# Altium PCB 智能车主板.PcbDoc (part 2 of 3)
Units mil, origin at the board's own origin, x right, y up, seen from the top; angles counter-clockwise.
Board outline 5500 x 3935 mil, 4 copper layers (Top, GND02, PWR03, Bottom), stack 23.756 mil thick; 203 components, 185 nets, 860 pads, 262 vias.
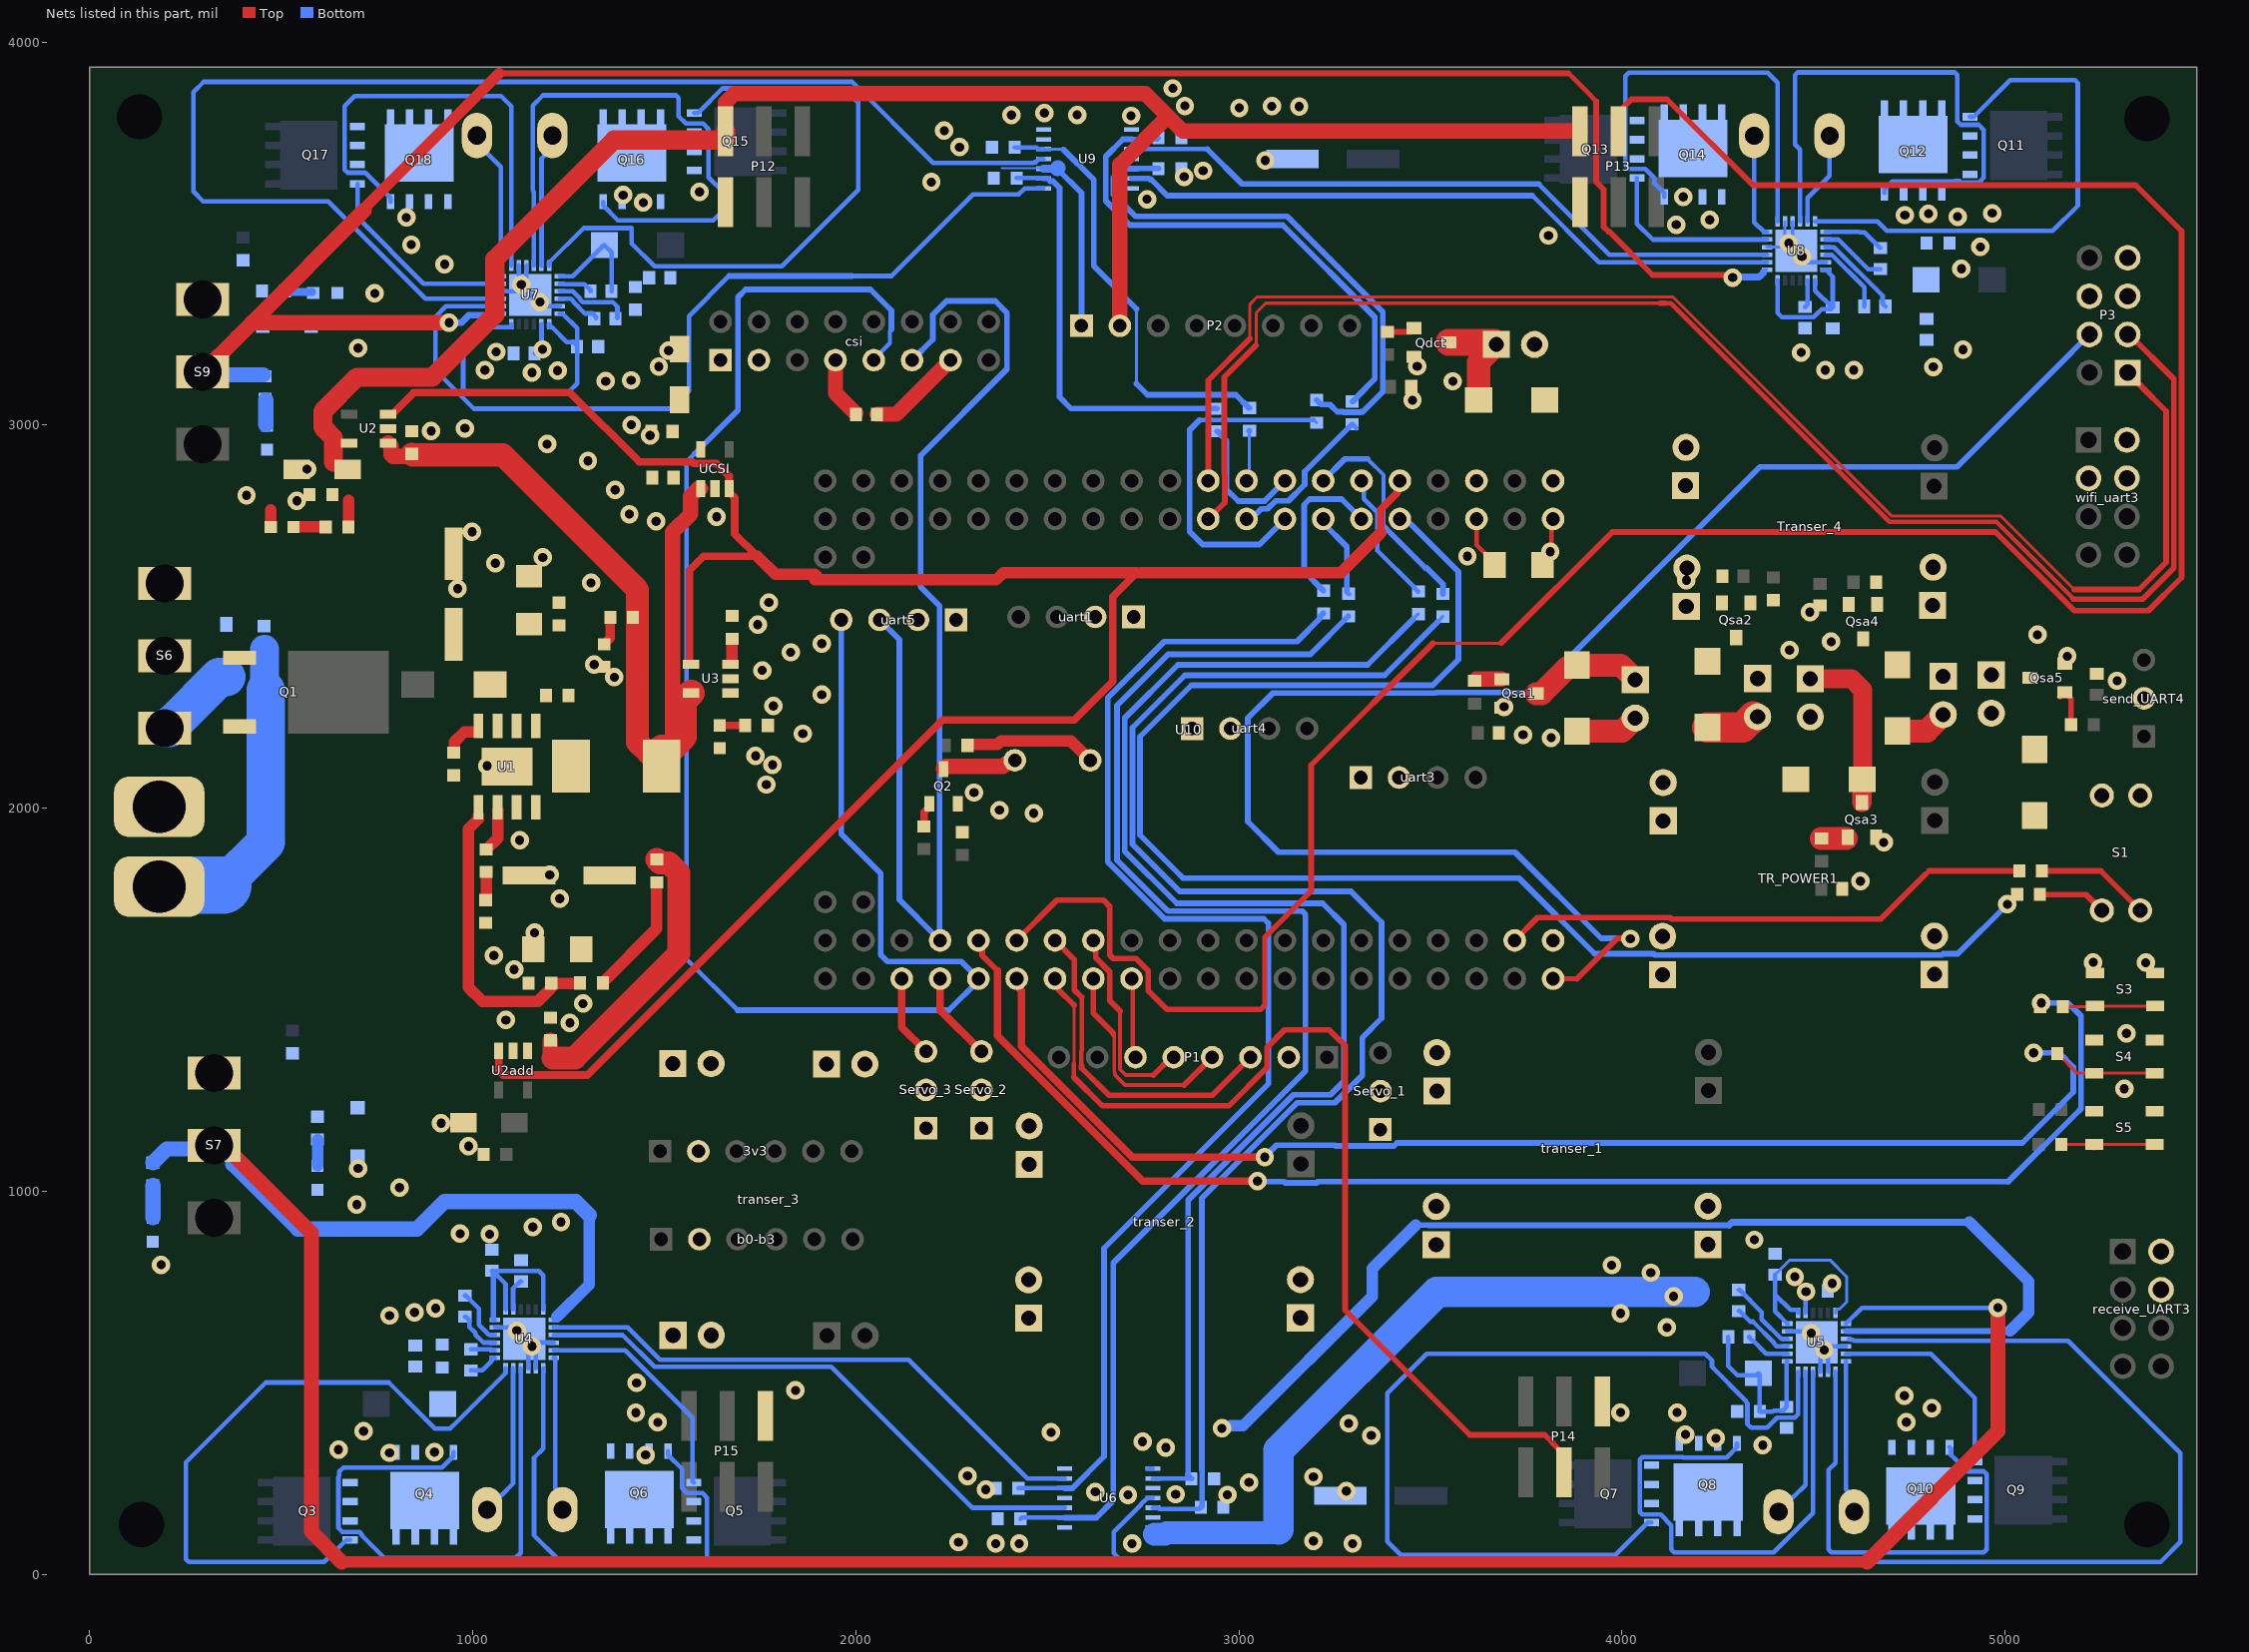
[diagram p4: the nets of this part, all layers, seen from the top]

## Via types
v1: diameter 48, hole 24, Top to Bottom, tented both sides, 262 vias

## Nets (pads, with @x,y where several pads share a name; then routed paths per layer and width w, separated by ;. In a path a pad name is that pad's centre, name@x,y a point inside that pad or via, vN(x,y) a via of type N, cw(c..) or ccw(c..) an arc to the next point about the centre after c; other vN are vias at no path point) (continued)
C20: P1.6 U10.62 | length 209.1
  Top w12: P1.6@2722.6,1357.4 U10.62@2722.6,1552.4
  Top w15: U10.62@2720,1555 U10.62@2722.6,1552.4 ; P1.6@2722.6,1357.4 P1.6@2730,1350
C21: P1.5 U10.59 | length 530.7
  Top w10: 2689.5,1471 2689.5,1351.5 ccw(c2730,1350) 2689.5,1348.5 2689.5,1319 2692.43,1316.07 2704.7,1303.8 2776.8,1303.8
  Top w15: U10.59@2620,1655 2626.44,1648.56 2626.44,1609.41 2663.03,1572.82 2663.03,1497.47 2689.5,1471 ; 2776.8,1303.8 2823,1350 P1.5@2830,1350
C22: P1.4 U10.60 | length 568.6
  Top w10: 2672,1410.08 2674.5,1407.58 2674.5,1399.3 2674.47,1350.22 ccw(c2730,1350) 2674.49,1348.56 2674.5,1312.79 2676.05,1309.29 2677.63,1302.37 2702.7,1277.3 2857.3,1277.3
  Top w15: U10.60@2620,1555 2620,1464.78 2672,1412.78 2672,1410.08 ; 2857.3,1277.3 P1.4@2930,1350
C23: P1.3 U10.57 | length 873.7
  Top w12: 2589.53,1326.97 2589.53,1331.74 2588.47,1332.8 2588.47,1367.2 2589.53,1368.26 2589.53,1506.69
  Top w15: U10.57@2520,1655 2570.4,1604.6 2570.4,1525.81 2589.53,1506.69 ; 2589.53,1326.97 2589.53,1321.97 2660.7,1250.8 2930.8,1250.8 P1.3@3030,1350
C24: P14.4 U10.58 | length 2611.6
  Top w8: 2569.53,1333.63 2569.53,1485.97 ; P14.4@3848.9,266.86 P14.4@3848.9,311.74
  Top w12: 2569.3,1297.7 2569.3,1333.4
  Top w15: U10.58@2520,1555 2528.43,1546.57 2528.43,1527.07 2569.53,1485.97 ; 2569.3,1297.7 2643.9,1223.1 2973.3,1223.1 3073.03,1322.83 3073.03,1375.54 3118.89,1421.4 3235.7,1421.4 3264.07,1393.03 3265.12,1393.03 3277.2,1380.95 3277.2,690 3602.7,364.5 3798.22,364.5 3818.9,343.82 3818.9,341.74 P14.4@3848.9,311.74
C25: P13.4 U10.55 | length 6820.7
  Top w8: 3507.2,2430.9 3684.6,2430.9
  Top w14: 2812.3,1474.6 3056.3,1474.6 3067.3,1485.6 3067.3,1663.2 3181.8,1777.7
  Top w15: U10.55@2420,1655 2525,1760 2646.41,1760 2663.03,1743.39 2663.03,1616.65 2671.81,1607.86 2731.34,1607.86 2763.5,1575.7 2763.5,1523.4 2812.3,1474.6 ; 3181.8,1777.7 3188.6,1784.5 3188.6,2112.3 3507.2,2430.9 ; 3684.6,2430.9 3974.97,2721.27 4975.13,2721.27 5180.5,2515.9 5374.1,2515.9 5460.5,2602.3 5460.5,3506.6 5340.7,3626.4 4342.02,3626.4 4117.82,3850.6 4024.2,3850.6 4002.58,3828.98 4002.58,3780.1 P13.4@3990,3767.52
C26: R26.2 U10.56 | length 3303.1
  Top w20: U10.56@2420,1555 2427.47,1547.53 2427.47,1528.68 2432.4,1523.76 2432.4,1378.4 2721.4,1089.4 v1(3067.4,1089.4)
  Bottom w15: v1(3067.4,1089.4) 3098.23,1120.23 3250.35,1120.23 3252.31,1118.27 3404.42,1118.27 3412.45,1126.3 5044.9,1126.3 5178,1259.4 5178,1324.5 5141.1,1361.4 v1(5074.4,1361.4)
C27: R25.2 U10.53 | length 3703.5
  Top w8: 2369.5,1409.63 2369.5,1411
  Top w15: U10.53@2320,1655 2329.77,1645.23 2329.77,1615.42 2369.5,1575.68
  Top w20: 2369.5,1409.63 2369.5,1405.94 2748.54,1026.9 v1(3048.43,1026.9) ; 2369.5,1411 2369.5,1575.68
  Bottom w8: 5005.03,1025.87 5006.94,1023.96 ; 5190.85,1214.25 5194.04,1211.06
  Bottom w15: v1(3048.43,1026.9) 3049.73,1025.6 3117.54,1025.6 3120.78,1022.37 3202.82,1022.37 3206.06,1025.6 5005.3,1025.6 ; 5006.94,1023.96 5194.04,1211.06 5198,1215.02 5198,1457.7 5163.7,1492 v1(5094.4,1492)
C28: csi.9 U10.54 uart5.4 | length 4415.3
  Bottom w8: 2087.4,3212.3 2089.4,3214.3 ; U10.54@2320,1550 U10.54@2320,1555
  Bottom w10: 2089.4,3214.3 2089.4,3246.3
  Bottom w12: 1579.3,2925.6 1558.2,2904.5 1558.2,1605.9 1691.05,1473.05 ; csi.9@2046.9,3169.8 2046.9,3171.8 2087.4,3212.3 ; 2089.4,3246.3 2093,3249.9
  Bottom w15: 1579.3,2925.6 1692.4,3038.7 1692.4,3333.8 1712.6,3354 2038.52,3354 2093,3299.52 2093,3249.9 ; 1691.05,1473.05 2243.05,1473.05 U10.54@2320,1550 ; uart5.4@1962,2491.7 1962,1932.7 2064.8,1829.9 2064.8,1617.7 2082.7,1599.8 2275.2,1599.8 U10.54@2320,1555
C29: csi.11 U10.51 uart5.3 | length 3004.9
  Bottom w15: uart5.3@2062,2491.7 2113.6,2440.1 2113.6,1761.4 U10.51@2211.57,1663.43 ; csi.11@2146.9,3169.8 2201.2,3224.1 2201.2,3288.2 2236.9,3323.9 2364,3323.9 2394.7,3293.2 2394.7,3146.3 2169.1,2920.7 2169.1,2578 2218.59,2528.51 2218.59,1663.43 2220,1662.02 U10.51@2220,1655
C30: Servo_2.3 U10.52 | length 234.8
  Top w20: U10.52@2220,1555 2220,1472.9 Servo_2.3@2328,1364.9
C31: Servo_3.3 U10.50 | length 229.8
  Top w20: U10.50@2110.4,1545.4 U10.50@2120,1555 2120,1427.9 Servo_3.3@2183,1364.9
CR: U2.3 U2add.3 U3.4 U10.9 UCSI.3 | length 5962.8
  Top w8: U2.3@779.28,3028.1 U2.3@789.12,3028.1 ; U2add.3@1060.19,1349.23 1068,1357.04 U2add.3@1068,1366.88 ; U3.4@1565.8,2380.02 U3.4@1570.22,2375.6
  Top w15: U10.9@3413.48,2848.48 U10.9@3420,2855
  Top w20: U2.3@789.12,3028.1 846.27,3085.25 1253.65,3085.25 1435.2,2903.7 1573.12,2903.7 1576.87,2899.95 1636.45,2899.95 1669.7,2866.7 1669.7,2824.4 1671.51,2822.58 1671.98,2822.58 1683.7,2810.87 1683.7,2716.7 1743,2657.4 1602.4,2657.4 1565.8,2620.8 U3.4@1565.8,2380.02 ; U2add.3@1068,1366.88 1067.9,1366.78 1067.9,1349.23 1067.9,1315.11 1079.62,1303.4 1299.3,1303.4 2226.2,2230.3 2570.09,2230.3 2670.53,2330.74 2670.53,2552.23 2733.33,2615.03 2745.1,2615.03 ; 3370.53,2719.33 3370.53,2780.53 3413.48,2823.48 U10.9@3413.48,2848.48
  Top w30: 1743,2657.4 1789.71,2610.69 1804.2,2610.69 1892.86,2610.69 1899.07,2604.47 ; 1892.86,2596.2 2366.4,2596.2 2385.23,2615.03 2733.33,2615.03 ; 2745.1,2615.03 3266.23,2615.03 3370.53,2719.33
CSI_3V3: C22_CSI.2 C27_CSI.1 csi.1 UCSI.5
D4: R22.2 U10.10 | length 4058.8
  Bottom w8: U10.10@3420,2755 3433.82,2755 3447.57,2741.24 3448.97,2741.24
  Bottom w15: 3448.97,2741.24 3572.7,2617.51 3572.7,2387.9 3505.8,2321 2876.1,2321 2741.9,2186.8 2741.9,1929.9 2847.21,1824.59 2854.2,1817.6 3731.1,1817.6 3928.7,1620 4082.27,1620 4085.7,1616.57 4834.9,1616.57 4838.33,1620 4876.4,1620 v1(5005.7,1749.3)
D16: P3.1 U10.19 | length 3787.3
  Top w8: 3028.63,3226.03 3028.63,3315.53 3048,3334.9 4131.84,3334.9 4704.44,2762.3 4989.1,2762.3 5180,2571.4
  Top w15: U10.19@2920,2855 2920,3117.4 3028.63,3226.03 ; 5180,2571.4 5349.9,2571.4 5420.5,2642 5420.5,3036.3 5353.22,3103.58 P3.1@5320,3136.8
D17: P3.3 U10.20 | length 4033.9
  Top w8: 3044.6,3208.4 3045.13,3208.93 3045.13,3293.64 3069.89,3318.4 4099.2,3318.4
  Top w12: 4113.5,3318.4 4127.13,3318.4 4698.23,2747.3 4977.38,2747.3 5178.09,2546.59
  Top w15: U10.20@2920,2755 2963.03,2798.03 2963.03,2872.82 2961.9,2873.95 2961.9,3125.7 3044.6,3208.4 ; 4099.2,3318.4 4113.5,3318.4 ; 5178.09,2546.59 5178.98,2545.7 5359.3,2545.7 5440.5,2626.9 5440.5,3120.5 5324.2,3236.8 P3.3@5320,3236.8 ; P3.3@5317.5,3255.15 P3.3@5338.35,3255.15
D26: P3.4 U10.84 | length 4268.8
  Top w14: U10.84@3820,1555 3882.5,1555
  Top w15: 3882.5,1555 3987.7,1660.2 4020.8,1660.2 v1(4021.9,1659.1) ; P3.4@5204.2,3236.8 P3.4@5220,3236.8
  Bottom w15: v1(4021.9,1659.1) 4020.8,1660.2 3945.89,1660.2 3720.59,1885.5 3103.2,1885.5 3023.3,1965.4 3023.3,2235.6 3088.7,2301 3514.08,2301 3515.48,2302.4 3770.8,2302.4 4359.6,2891.2 4874.4,2891.2 5130.77,3147.57 P3.4@5220,3236.8
D27: R23.2 U10.81 | length 1395.4
  Top w8: 4792.64,1827.76 4801.38,1836.5
  Top w15: U10.81@3720,1655 3779.43,1714.43 4126.24,1714.43 4130.17,1710.5 4675.38,1710.5 4792.64,1827.76 ; 4801.39,1836.5 R23.2@5036.94,1836.5
DCT_VCC_12: Ddct.1 JPdct.2 Transer_4.5
DVDD: C23.2 U5.8 U6.14 | length 1865.5
  Bottom w8: U6.14@2775.32,122.64 U6.14@2788.82,122.64
  Bottom w12: U5.8@4478.69,682.25 4478.69,736.25 v1(4480.57,738.12) C23.2@4482.44,740
  Bottom w60: 2779.1,105.3 2807.39,105.3 2810.69,108.6 3094.1,108.6 3103.2,117.7
  Bottom w80: 3103.2,117.7 3103.2,323.6 3516.7,737.1 4134.8,737.1 4189.5,737.1
  other v1: 4117.4,644.4 3996.4,681.2 4134.8,725.5 4451,777 4075.3,787.6 3973.2,807.1
DVDD1: C28.2 U7.8 U9.14 | length 83.2
  Bottom w12: C28.2@1161.65,3187.4 1171.4,3197.15 1171.4,3205.97 1179.53,3214.09 U7.8@1179.53,3263.23
  other v1: 1154.5,3137 1221.6,3142.3 1182.2,3197.8 2406,3809.4 2577.8,3809.9 2492.2,3814.7
G1: Q3.4 U4.24 | length 1752.1
  Bottom w12: Q3.4@680,90 670.16,90 612.26,32.1 258.73,32.1 251.7,39.13 251.7,292.6 460,500.9 780.96,500.9 869,412.86 901.46,380.4 940.9,380.4 961.04,400.54 961.31,400.54 1085.79,525.02 U4.24@1085.79,538.23
G2: Q5.4 U4.17 | length 605.5
  Bottom w12: U4.17@1211.78,585.47 1397.33,585.47 1574.1,408.7 1574.1,242.75 Q5.4@1576.9,239.95
G3: Q4.4 U4.22 | length 1470.9
  Bottom w12: Q4.4@949.98,319.05 949.98,309.21 919.97,279.2 662.3,279.2 651.6,268.5 651.6,256.68 649.32,254.4 649.32,121.38 659.86,110.84 704.24,110.84 710.69,104.4 710.69,101.32 769.3,42.7 1111.5,42.7 1125.16,56.36 U4.22@1125.16,538.23
G4: Q6.4 U4.19 | length 1268.5
  Bottom w12: U4.19@1184.21,538.23 1184.21,328.26 1160.07,304.12 1160.07,101.93 1223.4,38.6 1604.37,38.6 1611.4,45.63 1611.4,199.9 1607.59,203.71 1607.59,204.35 1599.42,212.52 1559.25,212.52 1546.21,225.55 1546.21,275.68 1509.97,311.92 Q6.4@1509.97,321.77
G5: Q7.4 U5.24 | length 2489.3
  Bottom w12: Q7.4@4076.77,135.03 4066.92,135.03 3982.8,50.9 3422.1,50.9 3386.87,86.13 3386.87,472.97 3489.9,576 4217.14,576 4234.68,558.45 4234.68,541.52 4323.6,452.6 4323.6,450.18 4327.22,446.56 4327.22,392.58 4336.7,383.1 4378.7,383.1 4404.79,409.19 4450.66,409.19 4459.01,417.55 U5.24@4459.01,528.71
G6: Q9.4 U5.17 | length 549.4
  Bottom w12: U5.17@4585,575.95 4805.65,575.95 4920.95,460.65 Q9.4@4920.95,294.97
G7: Q8.4 U5.22 | length 1358.4
  Bottom w12: Q8.4@4299.97,341.77 4299.97,331.92 4272.75,304.7 4159.68,304.7 4158.52,305.87 4052.52,305.87 4046.08,299.42 4046.08,162.9 4053.11,155.87 4101.01,155.87 4128.8,128.08 4128.8,64.73 4135.83,57.7 4395.53,57.7 4498.38,160.55 U5.22@4498.38,528.71
G8: Q10.4 U5.19 | length 1221.7
  Bottom w12: U5.19@4557.43,528.71 4557.43,291.08 4539.4,273.05 4539.4,64.73 4546.43,57.7 4944.61,57.7 4951.64,64.73 4951.64,262.07 4944.61,269.1 4901.74,269.1 4872.74,298.1 4858.82,312.03 4858.82,327.92 Q10.4@4854.97,331.77
G11: Q11.4 U8.24 | length 1367.7
  Bottom w12: U8.24@4504.21,3531.77 4666.93,3531.77 4691.7,3507 5124.2,3507 5189.7,3572.5 5189.7,3893.37 5182.67,3900.4 5013.5,3900.4 4918.08,3804.97 Q11.4@4908.23,3804.97
G21: Q13.4 U8.17 | length 475.4
  Bottom w12: Q13.4@4039.05,3645.02 4039.05,3525.95 4080.47,3484.53 U8.17@4378.22,3484.53
G31: Q12.4 U8.22 | length 1424.7
  Bottom w12: U8.22@4464.84,3531.77 4464.84,3720.04 4451.7,3733.18 4451.7,3913.77 4458.73,3920.8 4868.47,3920.8 4875.5,3913.77 4875.5,3792.62 4883.99,3784.13 4930.87,3784.13 4944.2,3770.8 4944.2,3646.1 4938.92,3640.82 4938.92,3640.58 4932.48,3634.13 4883.99,3634.13 4881.22,3636.9 4869,3636.9 4868.73,3636.64 4705.87,3636.64 4685.02,3615.79 Q12.4@4685.02,3605.95
G41: Q14.4 U8.19 | length 1158
  Bottom w12: Q14.4@4110.02,3595.95 4110.02,3605.79 4084,3631.82 4084,3645.16 4060.76,3668.4 4017.43,3668.4 4008.36,3677.46 4008.36,3911.64 4017.43,3920.7 4379.7,3920.7 4405.79,3894.61 U8.19@4405.79,3531.77
G51: Q15.4 U7.24 | length 1697.7
  Bottom w12: U7.24@1199.21,3416.77 1199.21,3424.45 1289.22,3514.46 1415,3514.46 1415,3474.1 1474.5,3414.6 1806.6,3414.6 2006.2,3614.2 2006.2,3842.4 1969.4,3879.2 1652.3,3879.2 1588.08,3814.97 Q15.4@1578.23,3814.97
G61: Q17.4 U7.17 | length 533.4
  Bottom w12: Q17.4@699.05,3630.02 699.05,3542.45 871.97,3369.53 U7.17@1073.22,3369.53
G71: Q16.4 U7.22 | length 1533.2
  Bottom w12: U7.22@1159.84,3416.77 1159.84,3609.18 1156.48,3612.54 1156.48,3833.98 1183.6,3861.1 1530.67,3861.1 1537.7,3854.07 1537.7,3806.2 1556.9,3787 1601.7,3787 1615.5,3773.2 1615.5,3647.2 1653.2,3609.5 1654.07,3609.5 1654.07,3560.67 1627.9,3534.5 1378.92,3534.5 1340.03,3573.39 Q16.4@1340.03,3583.23
G81: Q18.4 U7.19 | length 1198.2
  Bottom w12: Q18.4@785.03,3583.23 785.03,3593.08 718.92,3659.18 673.03,3659.18 666,3666.21 666,3833 692.1,3859.1 1074.1,3859.1 1100.79,3832.41 U7.19@1100.79,3416.77
GND: 3v3.2 b0-b3.2 C1.2 C2.1 C3.1 C5.1 C6.2 C7.1 C8.1 C8add.1 C9.1 C9add.1 C10.2 C10add.2 C11.1 C12.1 C13.1 C16.1 C17.1 C18.2 C19.1 C20.1 C21_CSI.1 C22_CSI.1 C23.1 C24.1 C25.2 C27.1 C27_CSI.2 C28.1 C29.1 C30.1 C32.1 C33.1 C36.1 C37.1 csi.3 csi.13 D5.2 D6.2 LED1.2 LED2.2 LED3.2 LED4.1 LED5.1 LED6.1 LED7.1 P1.2 P2.1 P3.5 P3.6 P12.1 P13.1 P14.1 P15.1 Q2.2 Q4.1 Q4.2 Q4.3 Q6.1 Q6.2 Q6.3 Q8.1 Q8.2 Q8.3 Q10.1 Q10.2 Q10.3 Q12.1 Q12.2 Q12.3 Q14.1 Q14.2 Q14.3 Q16.1 Q16.2 Q16.3 Q18.1 Q18.2 Q18.3 Qdct.2 Qsa1.2 Qsa2.2 Qsa3.2 Qsa4.2 Qsa5.2 R9.2 R13.2 R14.2 R15.2 R18.2 R32.2 R33.2 R34.1 R35.1 R39.2 R40.2 R41.1 R42.1 RCSI.1 Rdct2.2 receive_UART3.4 Rsa12.2 Rsa22.2 Rsa32.2 Rsa42.2 Rsa52.2 S1.3 S1.4 S3.2 S4.2 S5.2 send_UART4.2 Servo_1.1 Servo_2.1 Servo_3.1 T1.2 TR_POWER1.3 TR_POWER1.4 TR_POWER1.5 TR_POWER1.6 transer_1.3 transer_1.4 transer_1.5 transer_1.6 transer_2.3 transer_2.4 transer_2.5 transer_2.6 transer_3.3 transer_3.4 transer_3.5 transer_3.6 Transer_4.3 Transer_4.4 U1.0 U1.7 U2.2 U2add.2 U3.2 U4.5 U4.16 U4.20 U4.21 U4.25 U5.5 U5.16 U5.20 U5.21 U5.25 U6.1 U6.4 U6.7 U6.10 U6.13 U7.5 U7.16 U7.20 U7.21 U7.25 U8.5 U8.16 U8.20 U8.21 U8.25 U9.1 U9.4 U9.7 U9.10 U9.13 U10.1 U10.2 U10.83 uart1.2 uart3.2 uart4.2 uart5.2 UCSI.2 wifi_uart3.3 wifi_uart3.4 | length 3117.8
  Top w8: 472.87,2778.87 478,2784
  Top w12: C11.1@3792.7,2635 3815.93,2658.23 3815.93,2750.93 U10.2@3820,2755
  Top w30: LED2.2@472.87,2734.5 472.87,2778.87
  Top w40: RCSI.1@2055.55,3028.3 2105.4,3028.3 csi.13@2246.9,3169.8
  Bottom w5: 2381.2,3670.4 2488.85,3670.4 U9.10@2489.84,3669.41
  Bottom w8: R14.2@455.3,2416.04 R14.2@456.8,2414.54 ; 456.8,2312.54 478.6,2290.74 ; U8.16@4378.22,3464.85 U8.25@4445.15,3464.85 ; U8.20@4425.47,3531.77 4425.47,3484.53 U8.25@4445.15,3464.85 ; U8.21@4445.16,3531.77 U8.25@4445.16,3464.84 ; U8.25@4455,3455 U8.25@4445.16,3464.84
  Bottom w12: U4.5@1058.23,644.52 1107.08,644.52 v1(1115.4,636.2) 1115.4,634.6 U4.25@1135,615 U4.25@1144.84,605.16 ; U7.16@1073.22,3349.85 U7.25@1140.15,3349.85 ; U7.20@1120.47,3416.77 1120.47,3369.53 U7.25@1140.15,3349.85 ; U7.21@1140.16,3416.77 U7.25@1140.16,3349.84 ; U4.21@1144.84,538.23 U4.25@1144.84,605.16 ; U4.20@1164.53,538.23 1164.53,585.47 U4.25@1144.85,605.15 ; U4.16@1211.78,605.15 U4.25@1144.85,605.15 ; U7.5@1226.77,3310.48 1179.52,3310.48 U7.25@1150,3340 U7.25@1140.16,3349.84 ; U5.5@4431.45,635 4478.7,635 U5.25@4508.22,605.48 ; U8.25@4455,3455 4484.52,3425.48 U8.5@4531.77,3425.48 ; U5.25@4513.15,600.55 U5.25@4518.06,595.64 ; U5.21@4518.06,528.71 U5.25@4518.06,595.64 ; U5.20@4537.75,528.71 4537.75,575.95 U5.25@4518.07,595.63 ; U5.16@4585,595.63 U5.25@4518.07,595.63
  Bottom w15: 2525.79,3669.41 2589.1,3606.1 P2.1@2589.1,3259.3
  Bottom w20: U9.10@2489.84,3669.41 2525.79,3669.41
  Bottom w40: 2525.79,3669.41 2527.15,3670.77 2527.15,3671.46
  Bottom w75: 456.8,2312.54 R14.2@456.8,2414.54
  Bottom w100: 348.1,1798.9 460.2,1911 460.2,2309.14
  Bottom w150: T1.2@181.7,1795.27 185.33,1798.9 348.1,1798.9
  other v1: 2365.3,80.4 2426.5,80.4 2721.1,80.4 3296.8,80.4 2268.3,84 3194.2,87.2 2710.4,207.5 2969.9,207.8 2834.8,209.1 2624.9,215.4 3280.6,217.8 2339.4,221.4 3026.4,240.1 3194.5,254.7 2291.5,257 1451,311.8 782.8,317.3 899.98,319.05 649.6,325.9 4367.3,337.2 4244.9,355.4 3345.5,362.5 4165.5,365.3 2509.7,371 714.9,373.8 3286.5,394.2 1483,396.9 4742.1,397.6 1425.9,422 3996,422.5 4143.8,422.5 4808.8,434.4 4737.1,466.3 1842.6,480.4 1427.8,499.8 4527.91,585.79 1154.69,595.31 4493.9,629.9 782.8,675.6 848.1,683.9 903.3,694.6 4548.6,759.5 186.7,808.1 4345.6,873.5 1044.1,888.2 966.9,889.4 1156.9,906.7 1230.5,919.7 697.2,965.4 808.7,1009.7 700.7,1059.6 989.2,1117.7 917.4,1177.6 5311.1,1267.9 5317,1412.1 1253.7,1439.7 1086.5,1447.2 1288.1,1490.1 1108.2,1579 5367.1,1597 5229.9,1597.6 1055,1615.6 1161.5,1675 1227.1,1764.2 4622.6,1809.6 1201.1,1826.1 4683.2,1910.8 1122.5,1916.5 2464.45,1986.7 2375.15,1995.2 2308.7,2041 1766.3,2061.7 1037.8,2110.4 1782.6,2113.3 1738.2,2136.7 3814.9,2184.1 3741.6,2191.8 3692.03,2264.9 5292.4,2332.8 1369.6,2342 1755.8,2359.8 1317.3,2375 5162.5,2396.8 4437.6,2412.8 4545.9,2434.6 5084.4,2452.8 1744,2479.5 4490.3,2511.9 1773.2,2537 960.5,2573.3 1308.9,2588.4 4168.14,2595.41 1059,2639.6 1183,2654.7 3812.6,2669.4 998.4,2721.9 1478.7,2749 1636.8,2760.7 541,2802.3 409.7,2816.5 567.5,2885.2 1463.2,2973 891.4,2985 979.5,2991.7 1414.4,3000.9 3453,3065.2 1347,3114.8 3558.5,3114.5 1413.6,3117.1 1031.7,3143.7 4530.9,3143.9 4604.9,3143.9 4812.5,3152 1485.7,3152.8 3465.3,3153.5 4467.7,3189.9 1061.4,3191.4 1511.3,3194.6 4890.1,3197.1 700.8,3201 1175.4,3321.4 744.1,3344.1 1126.9,3367.1 4885.9,3408.2 926.6,3420 4469.76,3440.24 4935.6,3465.1 839.5,3471.3 4435.31,3474.69 3807.9,3494.8 4141.9,3523.4 4228.7,3536 826.9,3542 4875.9,3544.1 4738.5,3548.3 4799.9,3551.9 4966.6,3553.2 1445.1,3581.2 2760.2,3589.9 4160.02,3595.95 1392.8,3600.7 1591.7,3608.9 2197.2,3634.5 2857.3,3648.4 2906.8,3664.2 3068.8,3691.1 2270.8,3725.7 2230.7,3768.6 2718.4,3807.6 3001,3828.3 3157.4,3831.8 2858.9,3833.3 3086,3832.5 2827.4,3879.2
"L A": P16.1 Q3.1 Q3.2 Q3.3 Q4.5 Q4.6 Q4.7 Q4.8 Q4.9 U4.23 | length 398.2
  Bottom w12: P16.1@1037.5,169.1 1037.5,170.73 1074.28,207.51 1075.91,207.51 1105.47,237.07 U4.23@1105.47,538.23
"L A1": P20.1 Q11.1 Q11.2 Q11.3 Q12.5 Q12.6 Q12.7 Q12.8 Q12.9 U8.23 | length 247.6
  Bottom w12: U8.23@4484.53,3531.77 4484.53,3593.61 4541.85,3650.93 P20.1@4541.85,3755.6
"L B": P16.2 Q5.1 Q5.2 Q5.3 Q6.5 Q6.6 Q6.7 Q6.8 Q6.9 U4.18 | length 408.4
  Bottom w12: U4.18@1211.78,565.78 1215.81,565.78 1215.9,565.69 1215.9,225.3 1234.35,206.84 P16.2@1234.35,169.1
"L B1": P20.2 Q13.1 Q13.2 Q13.3 Q14.5 Q14.6 Q14.7 Q14.8 Q14.9 U8.18 | length 269.6
  Bottom w12: P20.2@4345,3755.6 4345,3529.76 4370.54,3504.22 U8.18@4378.22,3504.22
L_EN: U4.14 U6.6 | length 1496.4
  Bottom w12: U4.14@1211.78,644.52 1404.08,644.52 1488.6,560 2138.1,560 2447.51,250.59 U6.6@2545,250.59
L_EN1: U8.14 U9.6 | length 1748.5
  Bottom w12: 3765.7,3599.3 3939.52,3425.48 U8.14@4378.22,3425.48
  Bottom w15: U9.6@2720.16,3643.82 2765.96,3643.82 2769.29,3640.49 2771.41,3640.49 2812.6,3599.3 3765.7,3599.3
L_EN_IN: R1.2 R33.1 U6.5 | length 3398.2
  Bottom w12: R33.1@2424.66,225 U6.5@2545,225
  Bottom w14: 2647.8,851.6 3076.83,1280.63 3076.83,1699.77 3065.5,1711.1
  Bottom w15: U6.5@2545,225 2565,225 2647.8,307.8 2647.8,851.6 ; 3065.5,1711.1 2806.5,1711.1 2657.4,1860.2 2657.4,2287.7 2805,2435.3 3151.3,2435.3 3211.29,2495.29 3211.29,2500.16 3219.67,2508.54 R1.2@3220.8,2508.54
L_EN_IN1: R8.2 R40.1 U9.5 | length 1418.8
  Bottom w15: R40.1@2790.34,3670 2734.25,3670 2733.66,3669.41 2695.01,3669.41 2672.4,3646.8 2672.4,3602.1 2729.7,3544.8 3126.1,3544.8 3375.4,3295.5 3375.4,3087.1 3323.19,3034.89 3319.69,3034.89 3318.19,3033.38 3273.81,3033.38 3272.31,3034.89 3256.71,3034.89 3237.72,3053.88 3214.78,3053.88 R8.2@3202.9,3065.76
L_PH: U4.15 U6.3 | length 1520
  Bottom w12: U4.15@1211.78,624.84 1391.76,624.84 1474.6,542 1936.3,542 2304.48,173.82 U6.3@2545,173.82
L_PH1: U8.15 U9.3 | length 1772.2
  Bottom w12: U9.3@2720.16,3720.59 2917.51,3720.59 ; 3782.5,3629.9 3967.24,3445.16 U8.15@4378.22,3445.16
  Bottom w15: 2917.51,3720.59 3008.2,3629.9 3782.5,3629.9
L_PH_IN: R2.2 R32.1 U6.2 | length 3657.4
  Bottom w8: 2929.95,1070.72 2933.49,1070.72
  Bottom w12: R32.1@2429.66,145 2432.89,148.23 U6.2@2545,148.23
  Bottom w15: U6.2@2545,148.23 2627.73,148.23 2672.3,192.8 2672.3,813.07 2929.95,1070.72 ; 2930.42,1070.72 3173.82,1314.12 3173.82,1722.81 3165.03,1731.6 2814.74,1731.6 2681.9,1864.44 2681.9,2268.2 2815.55,2401.85 3186.38,2401.85 R2.2@3285.17,2500.64
L_PH_IN1: R7.2 R39.1 U9.2 | length 1347.5
  Bottom w12: U9.2@2720.16,3746.18 2786.52,3746.18 R39.1@2790.34,3750
  Bottom w15: U9.2@2720.16,3746.18 2697.08,3746.18 2652.4,3701.5 2652.4,3585.4 2715.6,3522.2 3114.5,3522.2 3354.9,3281.8 3354.9,3120.66 3309.01,3074.77 3309.01,3073.64 3297.13,3061.76 R7.2@3296,3061.76
NetB1_1: B1.1 R16.2 | length 346.1
  Top w30: R16.2@2290.41,2166.6 2370.07,2166.6 2379,2175.53 2561.32,2175.53 B1.1@2611.85,2125
NetB1_2: B1.2 Q2.3 | length 196.1
  Top w15: B1.2@2391.86,2116.57 2406.57,2116.57 B1.2@2415,2125
  Top w40: Q2.3@2229.2,2102.2 2229.2,2103.6 2234.5,2108.9 2384.19,2108.9 B1.2@2391.86,2116.57
NetC1_1: C1.1 C2.2 C3.2 D2.K U1.2 U1.3
NetC4_1: C4.1 L1.1 U1.8
NetC4_2: C4.2 U1.1
NetC7_2: C7.2 R10.2 | length 73.7
  Top w8: C7.2@1033.9,1760.26 C7.2@1035.2,1761.56
  Top w30: C7.2@1035.2,1761.56 R10.2@1035.2,1833.44
NetC12_2: C12.2 C13.2 C15.1 D3.1 U4.1 | length 81.5
  Bottom w12: C15.1@995,532.44 1024.89,532.44 1050.45,558 1050.45,565.69 1050.55,565.78 U4.1@1058.23,565.78
NetC14_1: C14.1 U4.4 | length 145.4
  Bottom w12: C14.1@980,727.55 981.97,727.55 1015.81,693.72 1015.81,651.71 1042.58,624.94 1058.14,624.94 U4.4@1058.23,624.84
NetC14_2: C14.2 U4.3 | length 118.8
  Bottom w12: C14.2@980,672.45 981.97,672.45 991.72,662.7 991.72,645.57 1007.1,630.19 1007.1,625.58 1027.43,605.25 1058.14,605.25 U4.3@1058.23,605.15
NetC15_2: C15.2 U4.2 | length 64.1
  Bottom w12: C15.2@995,587.55 1048.46,587.55 1050.55,585.47 U4.2@1058.23,585.47
NetC16_2: C16.2 U4.8 | length 82.9
  Bottom w12: U4.8@1105.47,691.77 1105.47,746.05 1124.31,764.89 C16.2@1126.28,764.89
NetC17_2: C17.2 U4.6 U4.7 U4.12 | length 474.5
  Bottom w12: C17.2@1050,792.45 C17.2@1054.12,788.33 ; U4.6@1054.12,664.31 1054.21,664.21 U4.6@1058.24,664.21 ; U4.7@1085.79,691.77 1085.79,758.62 1051.97,792.45 1172.17,792.45 1184.21,780.4 U4.12@1184.21,691.77
  Bottom w15: U4.6@1054.12,664.31 C17.2@1054.12,788.33
NetC19_2: C19.2 C20.2 C21.1 D4.1 U5.1 | length 463.7
  Bottom w12: C21.1@4277.44,620 4277.44,544.05 4301.23,520.27 4351.59,520.27 D4.1@4356.32,525 4359.66,521.66 C19.2@4359.66,425 4393.54,425 4396.34,427.81 4420.25,427.81 C20.2@4430,437.56 4430,556.16 4430.09,556.26 U5.1@4431.45,556.26
NetC21_2: C21.2 U5.2 | length 118.3
  Bottom w12: C21.2@4332.55,620 4332.55,618.03 4342.3,608.28 4344.27,608.28 4376.51,576.05 4431.36,576.05 U5.2@4431.45,575.95
NetC22_1: C22.1 U5.4 | length 189.9
  Bottom w12: C22.1@4305,742.55 4306.97,742.55 4364.92,684.61 4364.92,666.3 4415.8,615.41 4431.36,615.41 U5.4@4431.45,615.32
NetC22_2: C22.2 U5.3 | length 165.9
  Bottom w12: C22.2@4305,687.45 4306.97,687.45 4334.43,659.98 4341.59,659.98 4396.7,604.88 4396.7,602.53 4403.5,595.72 4431.36,595.72 U5.3@4431.45,595.63
NetC24_2: C24.2 U5.6 U5.7 U5.12 | length 555.3
  Bottom w8: C24.2@4400,782.45 4438.15,820.6 4542.9,820.6 4586.1,777.4 4586.1,710.92 4567.21,692.03 4559.34,692.03 4557.43,690.13 U5.12@4557.43,682.25
  Bottom w12: C24.2@4400,782.45 4400,729.5 ; U5.6@4431.46,654.69 4400,686.15 4400,729.5 ; U5.7@4459.01,682.25 4459.01,689.94 4458.92,690.03 4439.47,690.03 4400,729.5
NetC26_1: C26.1 U7.4 | length 118.8
  Bottom w12: U7.4@1226.77,3330.16 1256.3,3330.16 1263.7,3322.76 1263.7,3320.69 1292.67,3291.72 1312.7,3291.72 1322.44,3281.97 C26.1@1322.44,3280
NetC26_2: C26.2 U7.3 | length 198.2
  Bottom w12: U7.3@1226.77,3349.85 1260.65,3349.85 1280.7,3329.8 1280.7,3327.73 1287.14,3321.28 1365.82,3321.28 1377.56,3309.55 C26.2@1377.56,3280
NetC27_2: C27.2 C30.2 C31.1 D7.1 U7.1 | length 278.2
  Bottom w12: U7.1@1226.77,3389.22 1260.93,3389.22 1341.71,3470 D7.1@1343.68,3470 1362.56,3451.13 C31.1@1362.56,3350
NetC29_2: C29.2 U7.6 U7.7 U7.12 | length 882
  Bottom w12: U7.12@1100.79,3263.23 1100.79,3255.54 1100.69,3255.45 1023.05,3255.45 975.1,3207.5 975.1,3094.43 982.13,3087.4 1251.25,3087.4 1272.44,3108.6 C29.2@1272.44,3205 C29.2@1272.44,3206.97 ; U7.7@1199.21,3263.23 1199.21,3255.54 1199.3,3255.45 1206.99,3255.45 1245.72,3216.72 1262.7,3216.72 C29.2@1272.44,3206.97 ; U7.6@1226.77,3290.79 1234.45,3290.79 1272.44,3252.79 C29.2@1272.44,3206.97
NetC31_2: C31.2 U7.2 | length 89.9
  Bottom w12: U7.2@1226.77,3369.53 1226.86,3369.43 1238.2,3369.43 1239.63,3368 1291.41,3368 1307.44,3351.97 C31.2@1307.44,3350
NetC32_2: C32.2 C33.2 C35.1 D8.1 U8.1 | length 160.5
  Bottom w12: U8.1@4531.77,3504.22 4620.18,3504.22 4621.4,3503 4632.59,3503 4673.03,3462.56 C35.1@4675,3462.56
NetC34_1: C34.1 U8.4 | length 186
  Bottom w12: U8.4@4531.77,3445.16 4531.87,3445.06 4547.43,3445.06 4632.44,3360.04 C34.1@4632.44,3310
NetC34_2: C34.2 U8.3 | length 231.8
  Bottom w12: U8.3@4531.77,3464.85 4531.87,3464.75 4553.15,3464.75 4680.27,3337.63 4680.27,3317.29 C34.2@4687.55,3310
NetC35_2: C35.2 U8.2 | length 175.2
  Bottom w12: U8.2@4531.77,3484.53 4565.47,3484.53 4642.55,3407.44 C35.2@4675,3407.44
NetC36_2: C36.2 U8.8 | length 72.6
  Bottom w12: C36.2@4477.84,3308.43 4484.44,3315.02 4484.44,3378.13 U8.8@4484.53,3378.22
NetC37_2: C37.2 U8.6 U8.7 U8.12 | length 453.7
  Bottom w12: U8.12@4405.79,3378.22 4405.79,3293.01 4417.12,3281.68 4500.12,3281.68 4506.56,3288.12 4521.31,3302.88 4545.32,3302.88 C37.2@4550,3307.56 ; U8.7@4504.21,3378.22 4504.21,3351.37 4548.03,3307.56 C37.2@4550,3307.56 ; U8.6@4523.99,3405.69 4524.08,3405.79 4539.45,3405.79 4539.55,3405.69 4539.55,3398.01 4550,3387.55 C37.2@4550,3307.56
Netcsi_7: csi.7 RCSI.2 | length 163.7
  Top w8: RCSI.2@2000.44,3028.3 RCSI.2@2000.44,3030.27
  Top w40: csi.7@1946.9,3169.8 1946.9,3083.81 RCSI.2@2000.44,3030.27
NetD1_A: D1.A R14.1 S6.1
NetD1_K: D1.K Q1.3 S6.3 T1.1 | length 217.4
  Bottom w100: S6.3@196,2209.12 208.2,2209.12 221.59,2222.51 221.59,2224.79 339,2342.2 D1.K@356.9,2342.2
NetDdct_2: Ddct.2 JPdct.1 Qdct.3 | length 289.9
  Top w8: JPdct.1@3666.3,3215.9 JPdct.1@3671.7,3210.5
  Top w60: Ddct.2@3625.68,3066 3625.68,3164.48 JPdct.1@3671.7,3210.5
  Top w70: Qdct.3@3547.58,3215.9 JPdct.1@3666.3,3215.9
NetDsa1_2: Dsa1.2 JPsa1.1 Qsa1.3 | length 349.3
  Top w8: Dsa1.2@3852.74,2342.18 3882.2,2371.65 Dsa1.2@3882.2,2373.62
  Top w60: Qsa1.3@3776.58,2299.5 3789.9,2299.5 3858.58,2368.18 3878.74,2368.18 3882.2,2371.65 Dsa1.2@3882.2,2373.62 3996.38,2373.62 JPsa1.1@4034.6,2335.4
NetDsa2_2: Dsa2.2 JPsa2.1 Qsa2.3 | length 8.5
  Top w8: Dsa2.2@4222.9,2383.42 Dsa2.2@4228.9,2389.41
NetDsa3_2: Dsa3.2 JPsa3.1 Qsa3.3 | length 443.9
  Top w8: Dsa3.2@4626.2,2075.39 Dsa3.2@4626.62,2075.8
  Top w50: JPsa3.1@4491.6,2338.3 4599.11,2338.3 4628.4,2309.01 4628.4,2084.26 4626.62,2082.48 Dsa3.2@4626.62,2075.8 ; Qsa3.3@4626.2,2014.98 Dsa3.2@4626.2,2075.39
NetDsa4_2: Dsa4.2 JPsa4.1 Qsa4.3
NetDsa5_2: Dsa5.2 JPsa5.1 Qsa5.3
NetLED1_1: LED1.1 R20.1 | length 76.5
  Top w25: LED1.1@1343.1,2428.33 1359.04,2444.27 R20.1@1359.04,2498.2
NetLED2_1: LED2.1 R21.1 | length 84.4
  Top w30: LED2.1@531.93,2734.5 R21.1@616.34,2734.5
NetLED3_1: LED3.1 R19.1 | length 66.3
  Top w20: LED3.1@1644.7,2216.1 R19.1@1711.04,2216.1
NetLED4_2: LED4.2 R29.2 | length 83.9
  Bottom w12: R29.2@165,1015.34 R29.2@165.07,1015.28 ; LED4.2@165.14,931.48 LED4.2@165.14,931.48
  Bottom w40: LED4.2@165.14,931.48 R29.2@165.07,1015.28
NetLED5_2: LED5.2 R31.1 | length 68.9
  Bottom w12: R31.1@595,1135.34 R31.1@595.07,1135.28 ; LED5.2@595.14,1066.48 LED5.2@595.14,1066.48
  Bottom w30: LED5.2@595.14,1066.48 R31.1@595.07,1135.28
NetLED6_2: LED6.2 R38.2 | length 72
  Bottom w12: R38.2@457.3,3068.15 R38.2@460.17,3065.28 ; LED6.2@460.17,3001.35 LED6.2@463.04,2998.48
  Bottom w40: LED6.2@460.17,3001.35 R38.2@460.17,3065.28
NetLED7_2: LED7.2 R37.1 | length 75.9
  Bottom w12: R37.1@509.65,3350 R37.1@512.09,3347.57 ; LED7.2@581.09,3347.57 LED7.2@583.52,3345.14
  Bottom w20: R37.1@512.09,3347.57 LED7.2@581.09,3347.57
NetQ1_2: Q1.2 S6.2
NetQ2_1: Q2.1 R17.2 | length 58.1
  Top w20: R17.2@2177.9,1959.32 2177.9,1989.88 2191.8,2003.77 Q2.1@2191.8,2011.65
NetQdct_1: Qdct.1 Rdct1.2 | length 73.1
  Top w15: Rdct1.2@3388,3243.46 3447.18,3243.46 Qdct.1@3457.02,3253.3
NetQsa1_1: Qsa1.1 Rsa11.2 | length 72.6
  Top w8: Rsa11.2@3615.3,2332.36 Rsa11.2@3619.84,2336.9
  Top w40: Rsa11.2@3619.84,2336.9 Qsa1.1@3686.02,2336.9
NetQsa2_1: Qsa2.1 Rsa21.2 | length 4.8
  Top w8: Qsa2.1@4335.3,2536.08 Qsa2.1@4338.67,2539.44
NetQsa3_1: Qsa3.1 Rsa31.2 | length 69.5
  Top w8: Qsa3.1@4585.33,1920.96 Qsa3.1@4588.8,1924.42
  Top w60: Rsa31.2@4520.7,1920.96 Qsa3.1@4585.33,1920.96
NetQsa4_1: Qsa4.1 Rsa41.2
NetQsa5_1: Qsa5.1 Rsa51.2 | length 111.1
  Top w15: Qsa5.1@5142.64,2291.05 5154.39,2302.8 5159.34,2302.8 5167.59,2294.55 5167.59,2290.22 5172.04,2285.77 Rsa51.2@5172.04,2218.5
NetR1_1: R1.1 U10.12 | length 422.6
  Bottom w15: R1.1@3220.8,2567.86 3170.3,2618.36 3170.3,2792.3 3184.9,2806.9 3268.1,2806.9 U10.12@3320,2755
NetR2_1: R2.1 U10.14 | length 223.9
  Bottom w8: U10.14@3220,2744.1 U10.14@3220,2755 ; R2.1@3281.6,2564.66 R2.1@3286.3,2559.96
  Bottom w12: R2.1@3286.7,2559.36 R2.1@3287.7,2558.36
  Bottom w15: U10.14@3220,2744.1 3281.6,2682.5 R2.1@3281.6,2564.66
NetR3_1: R3.1 U10.11 | length 351.1
  Bottom w12: U10.11@3320,2855 3326.26,2848.74 3326.26,2807.47 3361.53,2772.2 3361.53,2672.73 3457.29,2576.97 3457.29,2575.84 3467.17,2565.96 R3.1@3468.3,2565.96
NetR4_1: R4.1 U10.13 | length 571.3
  Bottom w10: 3336.27,2911.6 3377.8,2870.07 3377.8,2736.9
  Bottom w15: U10.13@3220,2855 3276.6,2911.6 3336.27,2911.6 ; 3380.03,2734.12 3486.99,2627.16 3490.24,2627.16 3532.8,2584.6 R4.1@3532.8,2559.66
NetR5_1: R5.1 U10.17 | length 133.7
  Bottom w8: U10.17@3027,2862 R5.1@3027,2984.84
  Bottom w15: U10.17@3020,2855 U10.17@3027,2862 ; R5.1@3027,2984.84 R5.1@3027.7,2985.54
NetR6_1: R6.1 U10.15 | length 348.5
  Bottom w15: R6.1@2943.3,2983.84 2944.43,2983.84 2956.31,2971.96 2956.31,2970.83 2967.4,2959.74 2967.4,2832.6 2998.4,2801.6 3066.6,2801.6 U10.15@3119.35,2854.35
NetR7_1: R7.1 U10.18 | length 414.8
  Bottom w8: R7.1@3294.87,3002.44 R7.1@3296,3002.44
  Bottom w12: R7.1@3296,3002.44 3297.13,3002.44 3307.01,2992.56 R7.1@3307.01,2991.43
  Bottom w14: 3171.5,2879.07 R7.1@3294.87,3002.44
  Bottom w15: U10.18@3020,2755 3031.92,2755 3058.52,2781.6 3074.88,2781.6 3095.98,2802.7 3129.46,2802.7 3171.5,2844.74 3171.5,2879.07
NetR8_1: R8.1 U10.16 | length 900
  Bottom w8: R8.1@3195.94,3013.4 R8.1@3202.9,3006.44
  Bottom w12: 2897.4,3013.4 R8.1@3195.94,3013.4
  Bottom w15: 2897.4,3013.4 2871.5,2987.5 2871.5,2722.5 2905.3,2688.7 3053.7,2688.7 U10.16@3120,2755
NetR9_1: R9.1 U1.4 | length 100.6
  Top w30: R9.1@950.4,2145.26 951.53,2145.26 952.41,2146.14 952.41,2173.4 978.78,2199.77 U1.4@1012.5,2199.77
NetR10_1: R10.1 U1.6 | length 116.8
  Top w20: R10.1@1035.2,1892.76 R10.1@1036.33,1892.76
  Top w30: R10.1@1036.33,1892.76 1065.4,1921.83 1065.4,1996.1 U1.6@1065.6,1996.3
NetR11_2: R11.2 R12.1 | length 321.1
  Top w8: R12.1@1339.66,1543.9 R12.1@1339.66,1545.03
  Top w30: R12.1@1339.66,1545.03 1480.2,1685.57 R11.2@1480.2,1806.74
NetR12_2: R12.2 R13.1 U1.5 | length 792.5
  Top w8: R12.2@1279.54,1543.1 R12.2@1280.34,1543.9
  Top w30: U1.5@1014.9,1979.8 1014.9,1971.8 988.91,1945.81 988.91,1532.4 1025.81,1495.5 1170.2,1495.5 1204.08,1529.38 1204.08,1542.22 R13.1@1204.96,1543.1 R12.2@1279.54,1543.1
NetR15_1: R15.1 U3.3 | length 69.9
  Top w8: U3.3@1672.58,2375.6 U3.3@1677.2,2380.22 ; R15.1@1677.2,2442.44 R15.1@1678.33,2442.44
  Top w30: U3.3@1677.2,2380.22 R15.1@1677.2,2442.44
NetR22_1: R22.1 S1.1 | length 179
  Top w15: R22.1@5090.86,1774.7 5211.3,1774.7 S1.1@5252.7,1733.3
NetR23_1: R23.1 S1.2 | length 299.2
  Top w15: R23.1@5096.26,1836.5 5249.5,1836.5 S1.2@5352.7,1733.3
NetR25_1: R25.1 S3.1 | length 242.1
  Top w8: R25.1@5150.76,1481.5 5232.47,1481.5 S3.1@5234.56,1483.59 S3.1@5392.04,1483.59
NetR26_1: R26.1 S4.1 | length 275.1
  Top w8: R26.1@5136.26,1359.9 5187.97,1308.19 S4.1@5389.94,1308.19
NetR27_1: R27.1 S5.1 | length 243.5
  Top w8: R27.1@5146.66,1121.9 S5.1@5231.97,1121.9 ; S5.1@5232.46,1122.39 S5.1@5389.94,1122.39
  Top w30: S5.1@5231.97,1121.9 S5.1@5232.46,1122.39
new3V3: C9.2 C10.1 P2.2 P12.2 P13.2 R21.2 U2.5 | length 4622.9
  Top w8: 675.66,2803.86 679.3,2807.5 ; P12.2@1660,3767.52 P12.2@1660.08,3767.6
  Top w30: R21.2@675.66,2734.5 675.66,2803.86
  Top w40: P12.2@1660.08,3767.6 1660.08,3842.57 1683.51,3866 2755.22,3866 2814.91,3806.31 ; P2.2@2689.1,3259.3 2689.1,3680.5 2814.91,3806.31 ; P13.2@3890,3767.52 2853.7,3767.52 2814.91,3806.31
  Top w50: 636,2903.4 636,2967.5 608.71,2994.79 608.71,3036.21 697.75,3125.25 894.65,3125.25 1057.9,3288.5 1057.9,3433 1369.1,3744.2 1655.08,3744.2 1660,3749.12 P12.2@1660,3767.52
nSLEEP: R29.1 S7.2 U4.13 U5.13 | length 8064.8
  Top w30: 658.1,32.2 4639.7,32.2
  Top w39: S7.2@325,1120 350.59,1120 578.5,892.09 578.5,111.8 658.1,32.2 ; 4639.7,32.2 4981.1,373.6 v1(4981.1,696.2)
  Bottom w12: S7.2@315.7,1110.7 S7.2@325,1120 ; U4.13@1211.78,664.21 1219.46,664.21 1219.56,664.31 1219.56,671.99 ; U5.13@4585,654.69 4626.51,696.2 v1(4981.1,696.2)
  Bottom w30: 1219.56,671.99 1303.9,756.33 1303.9,938.5
  Bottom w40: R29.1@165,1074.66 201.04,1110.7 S7.2@315.7,1110.7 ; S7.2@325,1120 350.59,1120 373.9,1096.69 373.9,1071.1 543.2,901.8 854.7,901.8 925.87,972.97 1269.42,972.97 1303.9,938.5
nSLEEP1: R38.1 S9.2 U7.13 U8.13 | length 5638.6
  Top w12: 3860,3918.5 3908,3870.5 3932.2,3846.3
  Top w15: 1069,3918.5 3860,3918.5 ; 3932.2,3846.3 3932.2,3635.1 3952.1,3615.2 3952.1,3517.66 3964.74,3505.02 3966.86,3505.02 4079.78,3392.1 v1@4280.53,3392.1
  Top w20: 717.03,3561.01 717.03,3566.53
  Top w29: 717.03,3566.53 951.13,3800.63 951.13,3800.68 986.2,3835.76 986.26,3835.76 1069,3918.5
  Top w40: S9.2@295,3138.98 385.62,3229.6 423.52,3267.5 ; 717.03,3561.01 423.52,3267.5 ; v1(938.4,3267.5) 423.52,3267.5
  Bottom w8: v1(4288.8,3385.1) v1@4290.8,3387.1 ; 4368.45,3399.79 4368.45,3403.88 4370.35,3405.79 U8.13@4378.22,3405.79
  Bottom w12: S9.2@295,3138.98 S9.2@302.68,3131.3 ; R38.1@453.46,3131.3 R38.1@457.3,3127.45 ; U7.13@1061.75,3287 1065.54,3290.79 U7.13@1073.22,3290.79
  Bottom w18: v1(938.4,3267.5) 969.44,3267.5 988.94,3287 U7.13@1061.75,3287 ; v1@4290.8,3387.1 4357.9,3387.1 4368.45,3397.64 4368.45,3399.79
  Bottom w40: S9.2@302.68,3131.3 R38.1@453.46,3131.3
Q3V3: D5.1 R30.2 R31.2 S7.3
Q3V31: D6.1 R36.2 R37.2 S9.3
"R A": P17.1 Q7.1 Q7.2 Q7.3 Q8.5 Q8.6 Q8.7 Q8.8 Q8.9 U5.23 | length 395.3
  Bottom w12: P17.1@4408.8,163.3 4408.8,164.93 4445.58,201.71 4447.21,201.71 4478.69,233.19 U5.23@4478.69,528.71
"R A1": P21.1 Q15.1 Q15.2 Q15.3 Q16.5 Q16.6 Q16.7 Q16.8 Q16.9 U7.23 | length 351.2
  Bottom w12: U7.23@1179.53,3416.77 1179.53,3696.12 1207.85,3724.44 P21.1@1207.85,3756.2
"R B": P17.2 Q9.1 Q9.2 Q9.3 Q10.5 Q10.6 Q10.7 Q10.8 Q10.9 U5.18 | length 401.5
  Bottom w12: U5.18@4585,556.26 4585,221.7 4605.65,201.04 P17.2@4605.65,163.3
"R B1": P21.2 Q17.1 Q17.2 Q17.3 Q18.5 Q18.6 Q18.7 Q18.8 Q18.9 U7.18 | length 392.8
  Bottom w12: P21.2@1011,3756.2 1011,3736.52 1073.22,3674.29 U7.18@1073.22,3389.22
R_EN: U5.14 U6.8 | length 3026.2
  Bottom w12: U6.8@2761.82,276.18 U6.8@2775.32,276.18
  Bottom w15: v1(2955.6,381.4) 2961.91,387.71 v1@2978.71,387.71 ; 3461.6,911.7 3494.57,911.7 3494.8,911.47 4279.17,911.47 ; U5.14@4585,635 5011.2,635 5012.1,635.9
  Bottom w18: 4279.17,911.47 4287.2,919.5 4906.9,919.5
  Bottom w30: v1@2978.71,387.71 3010.31,387.71 3348.25,725.65 3348.25,798.35 3461.6,911.7 ; 4906.9,919.5 5061.1,765.3 5061.1,684 5013,635.9 5012.1,635.9
  other v1: 2809.2,331.1 2748.4,346.8
R_EN1: U7.14 U9.8 | length 2303.9
  Bottom w12: U7.14@1073.22,3310.48 930.47,3310.48 902.4,3282.41 902.4,3143.09 1002.59,3042.9 1518.6,3042.9 1564.3,3088.6 1564.3,3284.7 1669.1,3389.5 ; 1989.4,3389.5 2093.79,3389.5 2306.19,3601.9 2425,3601.9 2441.33,3618.23 U9.8@2489.84,3618.23
  Bottom w15: 1669.1,3389.5 1989.4,3389.5
R_EN_IN: R3.2 R35.2 U6.9 | length 3653.5
  Bottom w8: R3.2@3455.29,2493.63 3455.29,2494.76 3467.17,2506.64 R3.2@3468.3,2506.64
  Bottom w12: U6.9@2775.32,250.59 2788.82,250.59 2789.41,250 R35.2@2875.68,250
  Bottom w15: R35.2@2875.68,250 2867.6,258.08 2867.6,977 3142.6,1252 3238.7,1252 3273.8,1287.1 3273.8,1696.55 3218.75,1751.6 2837.8,1751.6 2701.9,1887.5 2701.9,2235.7 2840.6,2374.4 3336.06,2374.4 R3.2@3455.29,2493.63
R_EN_IN1: R6.2 R42.2 U9.9 | length 1092.9
  Bottom w12: R42.2@2419.66,3645 2475.16,3645 2476.34,3643.82 U9.9@2489.84,3643.82
  Bottom w15: U9.9@2489.84,3643.82 2500.34,3643.82 2507.43,3636.73 2514.52,3636.73 2531.7,3619.55 2531.7,3073.3 2561.84,3043.16 R6.2@2943.3,3043.16
R_PH: U5.15 U6.11 | length 4230.8
  Bottom w12: U6.11@2775.32,199.41 2761.82,199.41 2753.22,190.82 2751.26,190.82 2744.82,184.37 2744.82,182.41 2673.5,111.09 2673.5,55.3 2696.1,32.7 5406,32.7 5457.63,84.33 5457.63,316.17 5163.9,609.9 4605.97,609.9 4603.34,612.53 4595.47,612.53 U5.15@4592.78,615.22
R_PH1: U7.15 U9.11 | length 3500.7
  Bottom w12: U7.15@1073.22,3330.16 876.44,3330.16 622.3,3584.3 296.4,3584.3 270.7,3610 270.7,3869.4 297.5,3896.2 1990.8,3896.2 2202.1,3684.9 2464.28,3684.9 2465.79,3686.41 2469.31,3686.41 2476.34,3693.44 2476.34,3695 U9.11@2489.84,3695
R_PH_IN: R4.2 R34.2 U6.12 | length 3884.7
  Bottom w8: 2900.56,229.88 2904.06,233.38 ; R4.2@3519.79,2487.33 3519.79,2488.46 3531.67,2500.34 R4.2@3532.8,2500.34
  Bottom w12: U6.12@2775.32,173.82 2788.82,173.82 2791.43,171.2 2896.54,171.2 R34.2@2900.34,175
  Bottom w15: R34.2@2900.34,175 2904.06,178.72 2904.06,233.38 2904.06,272.19 2903.25,273 2903.25,982.25 3152.26,1231.26 3250.36,1231.26 3322.1,1303 3322.1,1401.2 3372.6,1451.7 3372.6,1702.33 3292.23,1782.7 2845.4,1782.7 2721.9,1906.2 2721.9,2210.3 2859,2347.4 3379.86,2347.4 R4.2@3519.79,2487.33
R_PH_IN1: R5.2 R41.2 U9.12 | length 1141.3
  Bottom w8: U9.12@2489.84,3720.59 2490.7,3719.73 2541.97,3719.73 ; 2732.9,3108 2732.9,3303.6
  Bottom w12: R41.2@2414.66,3725 2471.93,3725 2476.34,3720.59 U9.12@2489.84,3720.59
  Bottom w15: 2541.97,3719.73 2621.2,3640.5 2621.2,3415.3 2732.9,3303.6 ; 2732.9,3108 2761.6,3079.3 2992.13,3079.3 3026.57,3044.86 R5.2@3027.7,3044.86
Servo_VCC_1: Servo_1.2 transer_1.1 transer_1.2
Servo_VCC_2: Servo_2.2 transer_2.1 transer_2.2
Servo_VCC_3: Servo_3.2 transer_3.1 transer_3.2
VCC_5V: C5.2 C6.1 C8.2 C8add.2 C11.2 C21_CSI.2 L1.2 R11.1 R20.2 U2.1 U2add.1 U3.5 U10.5 U10.6 UCSI.1 | length 3231.1
  Top w8: 1202.5,1353.98 1209.19,1347.29 ; 1209.19,1348.4 1209.19,1347.29 ; 1215.88,1340.6 1209.19,1347.29 ; R11.1@1480.2,1866.06 1481.64,1864.62 1504.52,1864.62 ; UCSI.1@1587.09,2816.58 1594.9,2824.4 UCSI.1@1594.9,2834.24
  Top w12: U10.6@3620,2755 3620,2687.08 3667.3,2639.78 C11.2@3667.3,2635
  Top w40: U2.1@779.28,2953.3 787,2945.58 787,2923.29 791.69,2918.6 834.86,2918.6 C8.2@841.1,2924.84 ; 1202.5,1353.98 C8add.2@1202.5,1393.84 ; L1.2@1521.3,2138.09 1521.3,2720.4 1568.72,2767.83 1568.72,2814.6 1588.36,2834.24 UCSI.1@1594.9,2834.24
  Top w60: C8.2@841.1,2924.84 843.64,2922.3 1078.1,2922.3 1430.3,2570.1 1430.3,2498.2 1430.3,2172.31 1457.25,2145.36 L1.2@1468.66,2133.95 ; 1209.19,1348.4 1266.7,1348.4 1537.8,1619.5 1537.8,1831.52 1511.71,1857.62 1488.64,1857.62 R11.1@1480.2,1866.06
  Top w70: L1.2@1492.91,2109.7 L1.2@1492.91,2156.81 ; L1.2@1492.91,2129.39 1549.9,2186.38 1549.9,2280.48 U3.5@1570.22,2300.8
  other v1: 3596.3,2657.8 1409,2767.8 1371.8,2831.2 1300.7,2906.5 1194.2,2950.5
VCC_5V_EXT: P3.7 R19.2 receive_UART3.2 U3.1 uart1.1 uart3.1 uart4.1 uart5.1 wifi_uart3.2
  other v1: 1861.7,2194.7 1784.9,2267 1911.4,2296.4 1830.1,2407.1 1911.4,2429.7
VCC_OUT: Dsa1.1 Dsa2.1 Dsa3.1 Dsa4.1 Dsa5.1 JPsa1.2 JPsa2.2 JPsa3.2 JPsa4.2 JPsa5.2 TR_POWER1.1 TR_POWER1.2 | length 446.5
  Top w8: JPsa2.2@4342.65,2238.7 JPsa2.2@4353.9,2238.7
  Top w60: Dsa1.1@3882.2,2200.98 4000.18,2200.98 JPsa1.2@4034.6,2235.4 ; Dsa4.1@4718.9,2201.58 4795.78,2201.58 JPsa4.2@4838.5,2244.3
  Top w80: Dsa2.1@4222.9,2210.78 4314.74,2210.78 JPsa2.2@4342.65,2238.7